# Altium PCB ESP32_RC_MOD_V1.PcbDoc
Units mm, origin at the board's own origin, x right, y up, seen from the top; angles counter-clockwise.
Board outline 86 x 59 mm, 2 copper layers (Top Layer, Bottom Layer), stack 1.534 mm thick; 37 components, 33 nets, 136 pads, 0 vias.
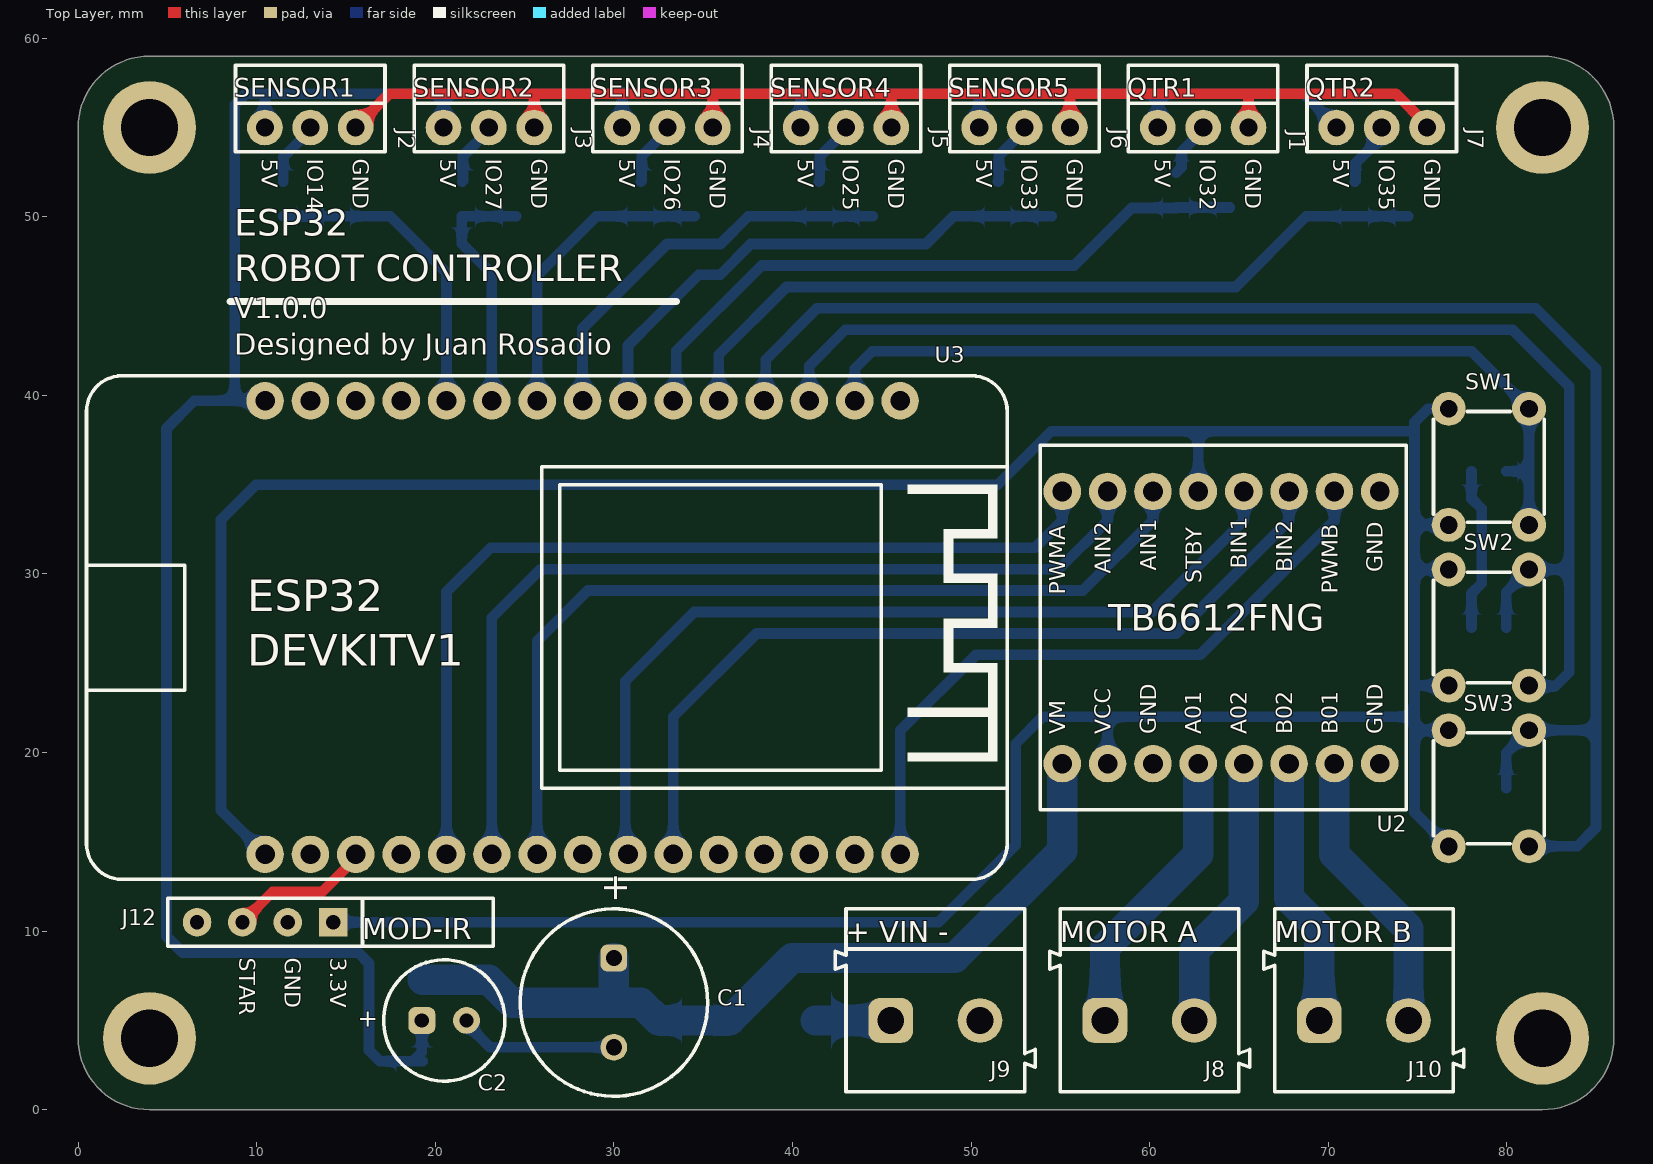
[diagram p0: Top Layer view]
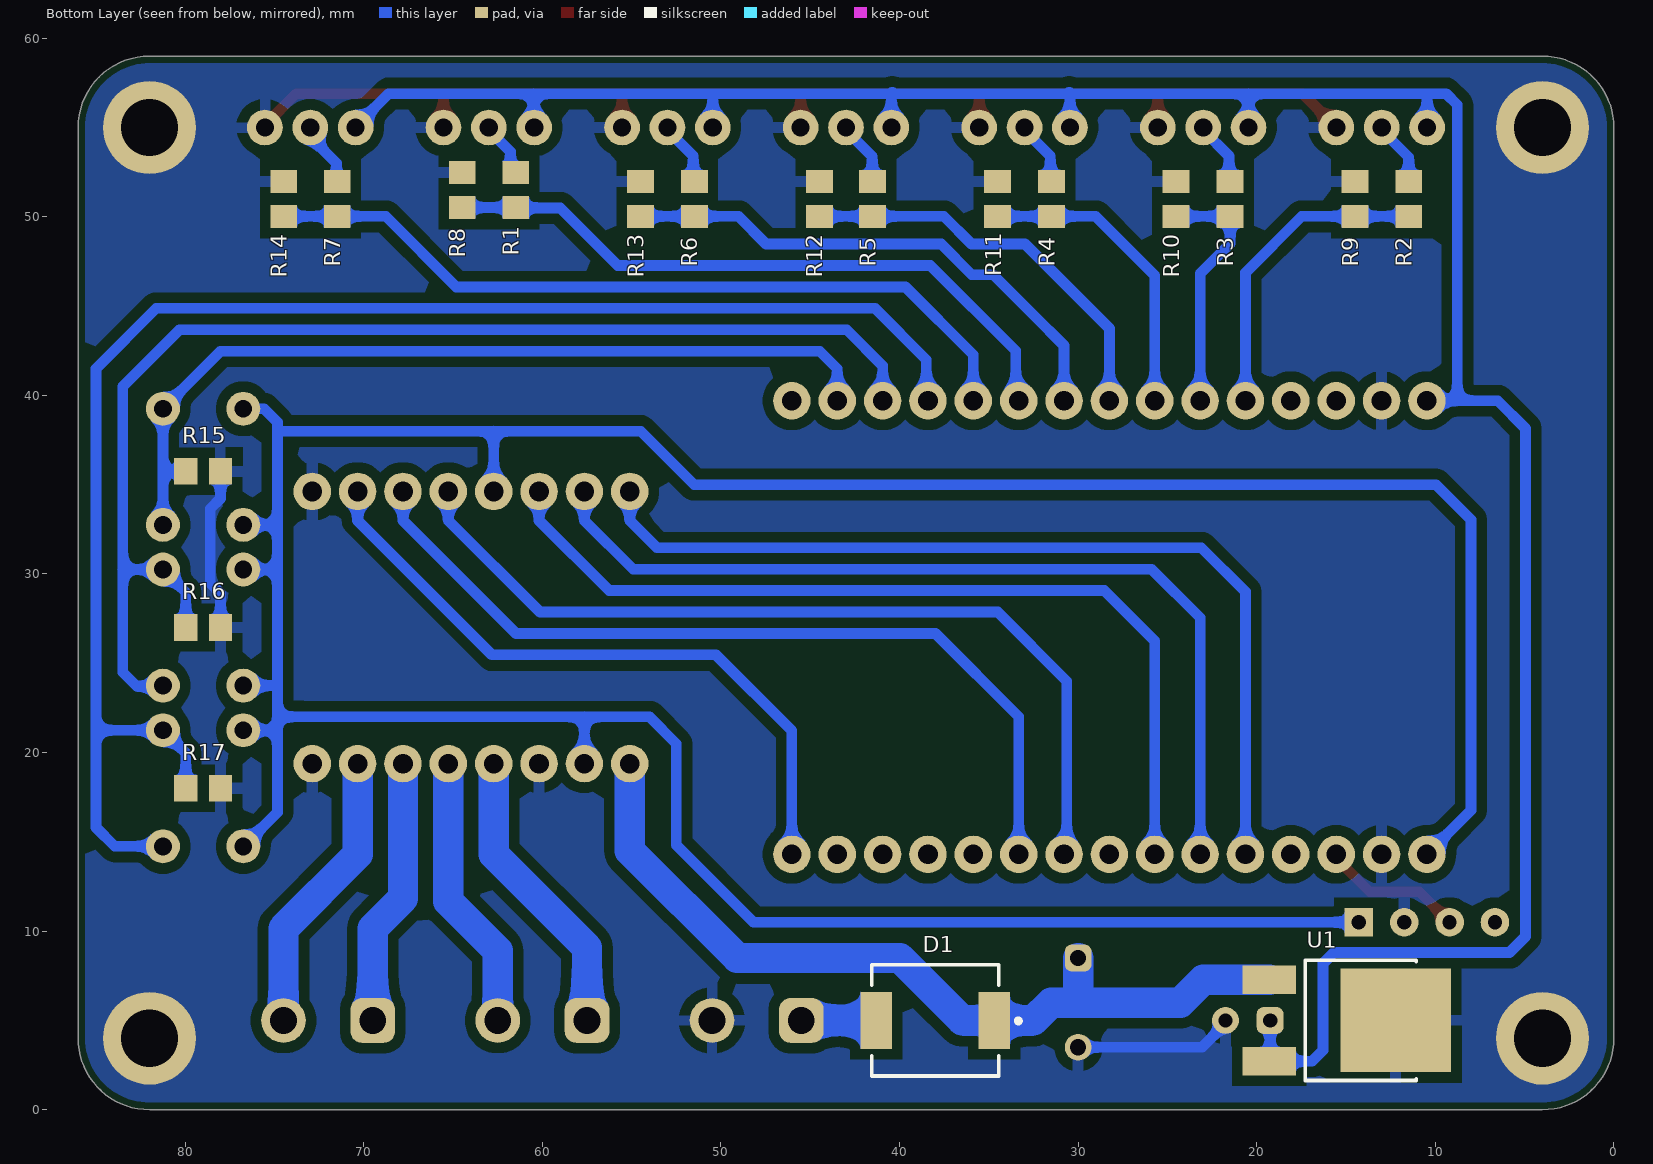
[diagram p1: Bottom Layer view, seen from below]

## Layer stack, top to bottom
Top Solder: solder mask 0.0127, Solder Resist, Dk 3.3
Top Layer: signal copper 0.0178
Dielectric1: core 1.4986, FR-4, Dk 4.3
Bottom Layer: signal copper 0.0178
Bottom Solder: solder mask 0.0127, Solder Resist, Dk 3.3

## Board outline
0,4 ccw(c4,4) 4,0 82,0 ccw(c82,4) 86,4 86,55 ccw(c82,55) 82,59 4,59 ccw(c4,55) 0,55

## Design rules (kind name [scope] priority, off if disabled: settings)
BoardOutlineClearance [All] p1: gap=0.4 ignorepadtopadclearanceinfootprint=FALSE
Clearance [All] p1: gap=0.6 ignorepadtopadclearanceinfootprint=TRUE
HoleSize [All] p1: absolutevalues=TRUE maxlimit=6.3 minlimit=0.2 maxpercent=80.000 minpercent=20.000
MinimumAnnularRing [All] p1: minimumring=0.13
MinimumSolderMaskSliver [All] p1: minsoldermaskwidth=0.1
PlaneClearance [All] p1: clearance=0.254
PolygonConnect [All] p1: connectstyle=Relief reliefconductorwidth=0.6 reliefentries=4 polygonreliefangle="90 Angle" airgapwidth=0.6
RoutingVias [All] p1: holewidth=0.3 width=0.6 viastyle="Through Hole" minholewidth=0.3 minwidth=0.6 maxholewidth=6.3 maxwidth=12.7
SilkToSilkClearance [All] p1: silktosilkclearance=0.152
SilkToSolderMaskClearance [IsPad] p1: minsilkscreentomaskgap=0.152 clearancetoexposedcopper=TRUE
SolderMaskExpansion [All] p1: expansion=0.05 istentingtop=FALSE
Width [All] p1: maxlimit=2 minlimit=0.6 preferedwidth=0.6 minimp=50.000000 maximp=50.000000 favimp=50.000000
25 further rules are at their usual default settings.

## Components (designator, comment, footprint, x,y, rotation, side; value= is the part's Value field where it differs from the comment)
C1 "220uF, 50V" WCAP-ATG8_D10H12.5 30,6 r90 top
C2 "47uF, 50V" WCAP-ATG8_D6.3H11 20.5,5 r180 top
D1 "Diode Schottky" DO-214AB 38,5 r0 bottom
J1 "Header 3P" 61300311821 63,55 r0 top
J2 "Header 3P" 61300311821 13,55 r0 top
J3 "Header 3P" 61300311821 23,55 r0 top
J4 "Header 3P" 61300311821 33,55 r0 top
J5 "Header 3P" 61300311821 43,55 r0 top
J6 "Header 3P" 61300311821 53,55 r0 top
J7 "Header 3P" 61300311821 73,55 r0 top
J8 "Bornera de 2 pines" 691111710002 60,5 r0 top
J9 "Bornera de 2 pines" 691111710002 48,5 r0 top
J10 "Bornera de 2 pines" 691111710002 72,5 r0 top
J12 "Header 4p" 61300411821 10.47,10.5 r180 top
R1 "Resistor 0805" RES0805A 61.49,51.5 r90 bottom
R2 "Resistor 0805" RES0805A 11.49,51 r90 bottom
R3 "Resistor 0805" RES0805A 21.49,51 r90 bottom
R4 "Resistor 0805" RES0805A 31.49,51 r90 bottom
R5 "Resistor 0805" RES0805A 41.515,51 r90 bottom
R6 "Resistor 0805" RES0805A 51.49,51 r90 bottom
R7 "Resistor 0805" RES0805A 71.49,51 r90 bottom
R8 "Resistor 0805" RES0805A 64.49,51.5 r270 bottom
R9 "Resistor 0805" RES0805A 14.5,51 r270 bottom
R10 "Resistor 0805" RES0805A 24.515,51 r270 bottom
R11 "Resistor 0805" RES0805A 34.515,51 r270 bottom
R12 "Resistor 0805" RES0805A 44.49,51 r270 bottom
R13 "Resistor 0805" RES0805A 54.515,51 r270 bottom
R14 "Resistor 0805" RES0805A 74.49,51 r270 bottom
R15 "Resistor 0805" RES0805A 79,35.75 r0 bottom
R16 "Resistor 0805" RES0805A 79,27 r0 bottom
R17 "Resistor 0805" RES0805A 79,18 r0 bottom
SW1 "XUNPU TS-1002S-07026C" 4301x60707x6 79,36 r90 top
SW2 "XUNPU TS-1002S-07026C" 4301x60707x6 79,27 r90 top
SW3 "XUNPU TS-1002S-07026C" 4301x60707x6 79,18 r90 top
U1 "7805 SMD TO-252" FP-369C-MFG 15,5 r270 bottom
U2 "TB6612FNG - Module" TB6612FNG-HDR-3D 64,27 r90 top
U3 "ESP32 DevkitV1" "ESP32 DEVKITV1 - HDR - 3D" 26,27 r0 top

## Footprints (in the part's own frame and the unit in brackets; to place one, negate y for a bottom-side part, rotate by r counter-clockwise, add the part's x,y. Pads: shape width x height; smd on the part's side, far side on the other; paste and mask are expansions set on the pad)
4301x60707x6 [mm] "6x6mm Tact Switch, THT version"
  round 1.9 hole 1: A1(-3.25,2.25) A2(3.25,2.25) B1(-3.25,-2.25) B2(3.25,-2.25)
  silkscreen extent -3.1,-3.1 3.1,3.1, body extent -3.95,-3.1 3.95,3.1, height 7.05
61300311821 [mm] "Socket Header, Pitch 2.54 mm, THT, Vertical, single row, 3p"
  round 2 hole 1.02: 1(-2.54,0) 2(0,0) 3(2.54,0)
  silkscreen extent -4.19,-1.35 4.19,1.35, body extent -4.06,-1.25 4.06,1.25, height 8.55
61300411821 [mm] "Socket Header, Pitch 2.54 mm, THT, Vertical, single row, 4p"
  rect 1.6x1.6 hole 0.8: 1(-3.81,0)
  round 1.6 hole 0.8: 2(-1.27,0) 3(1.27,0) 4(3.81,0)
  silkscreen extent -5.46,-1.35 5.46,1.35, body extent -5.33,-1.25 5.33,1.25, height 8.55
691111710002 [mm] "5,00mm - modular - green - Horizontal entry with pressure clamp - 10,0mm height - 02p"
  rrect50% 2.5x2.5 hole 1.5: 1(-2.5,0)
  round 2.5 hole 1.5: 2(2.5,0)
  silkscreen extent -5.6,-4 5.6,4, body extent -5.6,-4 5.6,4, height 11.05
DO-214AB [mil]
  rect 70x125.98 smd paste+0 mask+0: 1(130,0) 2(-130,0)
  silkscreen extent -188,-122 140,122, body extent -156,-116 156,116, height 103
"ESP32 DEVKITV1 - HDR - 3D" [mm]
  round 2.1 hole 1.1: 1(-15.53,-12.7) 2(-12.99,-12.7) 3(-10.45,-12.7) 4(-7.91,-12.7) 5(-5.37,-12.7) 6(-2.83,-12.7) 7(-0.29,-12.7) 8(2.25,-12.7) 9(4.79,-12.7) 10(7.33,-12.7) 11(9.87,-12.7) 12(12.41,-12.7) 13(14.95,-12.7) 14(17.49,-12.7) 15(20.03,-12.7) 16(20.03,12.7) 17(17.49,12.7) 18(14.95,12.7) 19(12.41,12.7) 20(9.87,12.7) 21(7.33,12.7) 22(4.79,12.7) 23(2.25,12.7) 24(-0.29,12.7) 25(-2.83,12.7) 26(-5.37,12.7) 27(-7.91,12.7) 28(-10.45,12.7) 29(-12.99,12.7) 30(-15.53,12.7)
  silkscreen extent -25.53,-14.1 26.03,14.1, body extent -25.47,-14.3 25.47,14.2, height 15.35
FP-369C-MFG [mm]
  rect 1.6x3 smd paste+0 mask+0: 1(-2.285,-4.3) 3(2.285,-4.3)
  rect 5.8x6.2 smd paste+0 mask+0: 4(0,2.79)
  silkscreen extent -3.36,-2.28 3.36,3.94, body extent -3.27,-4.95 3.27,4.95, height 2.51
RES0805A [mm] "Chip Resistor, 2-Leads, Body 2.00x1.27mm, IPC Low Density"
  rect 1.3x1.5 smd: 1(-0.975,0) 2(0.975,0)
  body extent -1.15,-0.67 1.15,0.67, height 0.76
TB6612FNG-HDR-3D [mm]
  round 2.1 hole 1.1: 1(-7.62,8.89) 2(-7.62,6.35) 3(-7.62,3.81) 4(-7.62,1.27) 5(-7.62,-1.27) 6(-7.62,-3.81) 7(-7.62,-6.35) 8(-7.62,-8.89) 9(7.62,8.89) 10(7.62,6.35) 11(7.62,3.81) 12(7.62,1.27) 13(7.62,-1.27) 14(7.62,-3.81) 15(7.62,-6.35) 16(7.62,-8.89)
  silkscreen extent -10.2,-10.38 10.2,10.13, body extent -10.2,-10.41 10.2,10.41, height 13.96
WCAP-ATG8_D6.3H11 [mm] "Aluminum Electrolytic Capacitors, 6.3x11mm"
  rrect50% 1.5x1.5 hole 0.8: 1(1.25,0)
  round 1.5 hole 0.8: 2(-1.25,0)
  silkscreen extent -3.4,-3.4 3.4,3.4, body extent -3.14,-3.15 3.15,3.15, height 11.31
WCAP-ATG8_D10H12.5 [mm] "Aluminum Electrolytic Capacitors, 10x12.5mm"
  rrect50% 1.5x1.5 hole 0.9: 1(2.5,0)
  round 1.5 hole 0.9: 2(-2.5,0)
  silkscreen extent -5.25,-5.25 5.25,5.25, body extent -4.99,-5 5,5, height 12.81

## Part data
C1: library part 860010675018, "WCAP-ATG8 Aluminum Electrolytic Capacitor, Radial, THT, D10xH12.5, 220uF, 50V", Capacitance=220uF, Capacitance Tolerance=+/-20%, Leakage Current=110uA, Manufacturer="Wurth Elektronik", Operating Temperature="-40 to +85degC", Rated Voltage=50VDC, Ripple Current=468mA, ComponentLink1Description=Manufacturer, ComponentLink1URL=http://www.we-online.de, ComponentLink2Description=Datasheet, ComponentLink2URL=https://www.we-online.com/catalog/datasheet/860010675018.pdf, Diameter=10mm, Dissipation Factor=10%, Endurance=2000h, Height=12.5mm, Manufacturer Part Number=860010675018, Mounting Technology=THT, Packaging="Ammo Pack", Published Date="October 2020", Technical Reference=ATBF125221M050DSPA9B000
C2: library part 860010673012, "WCAP-ATG8 Aluminum Electrolytic Capacitor, Radial, THT, D6.3xH11, 47uF, 50V", Capacitance=47uF, Capacitance Tolerance=+/-20%, Leakage Current=23.5uA, Manufacturer="Wurth Elektronik", Operating Temperature="-40 to +85degC", Rated Voltage=50VDC, Ripple Current=165mA, ComponentLink1Description=Manufacturer, ComponentLink1URL=http://www.we-online.de, ComponentLink2Description=Datasheet, ComponentLink2URL=https://www.we-online.com/catalog/datasheet/860010673012.pdf, Diameter=6.3mm, Dissipation Factor=10%, Endurance=2000h, Height=11mm, Manufacturer Part Number=860010673012, Mounting Technology=THT, Packaging="Ammo Pack", Published Date="October 2020", Technical Reference=ATBD110470M050DSPA4B000
D1: "Diodo Schottky SS36 3A 60 V", Forward Current=4A, Voltage Rating (DC)=40V, Category="Rectifier Diodes"
J1 J2 J3 J4 J5 J6 J7: library part 61300311821, "WR-PHD Socket Header, THT, Vertical, pitch 2.54mm, 1 Row, 3P", Contact Resistance=20mOhm, Manufacturer="Wurth Elektronik", Operating Temperature Max=125°C, Operating Temperature Min=-40°C, Rated Current=3A, Withstanding Voltage=500V, Working Voltage=250V, Category="Board-to-Board Connectors", ComponentLink1Description="Website Link", ComponentLink1URL=https://www.we-online.com/redexpert/article/61300311821?ad, ComponentLink2Description="Datasheet Link", ComponentLink2URL=https://www.we-online.com/redexpert/spec/61300311821?ad, Gender="Socket Header", Manufacturer Part Number=61300311821, Match Code=WR-PHD, Mount="Through Hole", Number of Pins=3, Number of Rows=1, Orientation=Vertical, Packaging=Tray, Pitch=2.54mm
J8 J9 J10: library part 691111710002, "WR-TBL Serie 111 Horizontal Entry Modular, Pressure Clamp, THT, pitch 5mm, 2p", Manufacturer="Wurth Elektronik", Operating Temperature="-40 to +105degC", Rated Current [UL]=15A, Working Voltage [UL]=250VAC, Application="Pressure Clamp", ComponentLink1Description=Manufacturer, ComponentLink1URL=http://www.we-online.de, ComponentLink2Description=Datasheet, ComponentLink2URL=https://katalog.we-online.de/em/datasheet/691111710002.pdf, Manufacturer Part Number=691111710002, Modularity=Yes, Mounting Technology=THT, Packaging=Box, PCB/Cable/Panel=PCB, Pin Number=2, Pitch=5mm, Published Date="Feburary 2021", Type=Horizontal
J12: library part 61300411821, "WR-PHD Socket Header, THT, pitch 2.54mm, Single Row, Vertical, 4p", Contact Resistance=20mOhm, Manufacturer="Wurth Elektronik", Operating Temperature="-40 to +125degC", Rated Current=3A, Withstanding Voltage=500VAC, Working Voltage=250VAC, ComponentLink1Description=Manufacturer, ComponentLink1URL=http://www.we-online.de, ComponentLink2Description=Datasheet, ComponentLink2URL=https://www.we-online.com/catalog/datasheet/61300411821.pdf, Gender="Socket Header", Manufacturer Part Number=61300411821, Mounting Technology=THT, Orientation=Vertical, Packaging=Tray, Pin Number=4, Pitch=2.54mm, Published Date="May 2020", Row Number=Single
R1 R2 R3 R4 R5 R6 R7 R15 R16 R17: "SMD 0805 10Kohms", Case Code (Metric)=2012, Case/Package=0805, Power Rating=125mW, Resistance=10K, Tolerance=1%, Category="Chip SMD Resistors", Mount="Surface Mount"
R8 R9 R10 R11 R12 R13 R14: "SMD 0805 20Kohms", Case Code (Metric)=2012, Case/Package=0805, Power Rating=125mW, Resistance=20K, Tolerance=1%, Category="Chip SMD Resistors", Mount="Surface Mount"
SW1 SW2 SW3: library part 430156070726, "6mm 7mm Round Button 50mA Brick nogging 6mm SPST 12V SMD,6x6mm Tactile Switches ROHS", Manufacturer=XUNPU, Manufacturer Part Number=TS-1002S-07026C, Operating Temperature Max=85°C, Operating Temperature Min=-40°C, Rated Current=50mA, Rated Voltage=12VDC, Supplier Part Number=C455114, Category="Tact Switches", Circuit=SPST-NO, ComponentLink1Description="Website Link", ComponentLink1URL=https://www.we-online.com/redexpert/article/430156070726?ad, ComponentLink2Description="Datasheet Link", ComponentLink2URL=https://www.we-online.com/redexpert/spec/430156070726?ad, Contact Material="Stainless Steel", Contact Plating=Silver, Height=7mm, Length=6mm, Match Code=WS-TATV, Mount="Through Hole", Operation Force=260g, Packaging=Bulk, Supplier=LCSC, Terminal Material="Copper Alloy", Terminal Plating=Silver, Washable=No, Width=6mm
U1: library part CMP-07128-000005-1, "IC REG LINEAR 5V 1A DPAK", Dropout Voltage=2V, Manufacturer="ON Semiconductor", Manufacturer Part Number=MC7805CDTG, Max Junction Temp=+125°C, Max Supply Voltage=35V, Min Supply Voltage=7V, Nominal Supply Current=3.2mA, Output Current=1A, Output Voltage=5V, Package=369C, Temperature="0°C to +125°C", Temperature Range Low=0°C, Automotive=No, Category=IC, ComponentLink2Description=Datasheet, ComponentLink2URL=https://www.onsemi.cn/PowerSolutions/document/MC7800-D.PDF, Device Class L1="Integrated Circuits (ICs)", Device Class L2="Power Management ICs", Device Class L3="Voltage Regulators - Linear", Digikey Description="IC REG LINEAR 5V 1A DPAK", Footprint Url=https://www.onsemi.com/pub/Collateral/369C.PDF, Height=2.51mm, Lead Free=Yes, Mouser Description="Linear Voltage Regulator, Positive, 5.0 V, 1.0 A, V out : 5.0 V; T J = 0Â°C to +125Â°C", Number of Outputs=1, Octopart=https://octopart.com/mc7805cdtg-on+semiconductor-1266408, Output Type=Fixed, RoHS=TRUE, Standoff Height=0mm, Temperature Range High=+125°C
U2: "Driver Puente H TB6612FNG 1.2A"
U3: "ESP32 DEVKIT V1 Wireless WiFi Bluetooth Placa de desarrollo Micro USB Dual Core"

## Free pads (board coordinates)
  round 5.2 hole 3.2: 18(4,55) 19(4,4) 20(82,55) 21(82,4)

## Nets (pads, with @x,y where several pads share a name; then routed paths per layer and width w, separated by ;. In a path a pad name is that pad's centre, name@x,y a point inside that pad or via, vN(x,y) a via of type N, cw(c..) or ccw(c..) an arc to the next point about the centre after c; other vN are vias at no path point)
+3.3V: J12.1 SW1.A1 SW1.A2 SW2.A1 SW2.A2 SW3.A1 SW3.A2 U2.2 U2.12 U3.1 | length 197.9
  Bottom Layer w0.6: U3.1@10.83,13.94 8,16.77 8,33.04 9.96,35 51.5,35 54.5,38 62.73,38 ; J12.1 48.174,10.5 52.5,14.826 52.5,20.5 54,22 57.65,22 ; U2.2 57.65,22 ; U2.12 62.73,38 ; 74.489,38 62.73,38 ; SW3.A1 74.84,16.66 74.84,21.25 ; SW3.A2 74.84,21.25 ; SW2.A1 74.881,23.75 74.84,23.709 ; SW2.A2 74.84,30.25 ; SW1.A1 74.84,32.75 ; SW1.A2 75.59,39.25 74.84,38.5 74.84,37.649 74.84,32.75 ; 57.65,22 74.84,22 ; 74.84,21.25 74.84,22 ; 74.84,22 74.84,23.709 ; 74.84,23.709 74.84,30.25 ; 74.84,30.25 74.84,32.75
+5V: C2.1 J1.1 J2.1 J3.1 J4.1 J5.1 J6.1 J7.1 U1.3 U3.30 | length 147.8
  Bottom Layer w0.6: J2.1 10.46,56.74 ; U3.30 8.768,39.7 ; C2.1 19.25,3.215 U1.3@18.75,2.715 ; U1.3 U1.3@18.75,2.715 ; J3.1@20.473,55.013 20.473,56.9 ; J4.1 30.46,56.862 ; J5.1 40.46,56.844 ; J6.1 50.46,56.895 50.465,56.9 ; J1.1 60.492,55.032 60.492,56.9 ; J7.1 70.46,55.04 68.6,56.9 60.492,56.9 ; 8.768,39.7 8.768,56.268 9.4,56.9 20.473,56.9 ; 8.768,39.7 6.5,39.7 4.951,38.151 4.951,9.698 5.849,8.8 15.683,8.8 16.291,8.191 16.291,3.324 16.9,2.715 U1.3@18.75,2.715 ; 20.473,56.9 30.498,56.9 40.404,56.9 50.465,56.9 ; 50.465,56.9 60.492,56.9
  Bottom Layer w0.762: J3.1 J3.1@20.473,55.013 ; 30.46,56.862 30.498,56.9 ; 40.404,56.9 40.46,56.844
+VBAT: C1.1 D1.2 U1.1 U2.1 | length 48.1
  Bottom Layer w1.7: U1.1 19.55,7.285 23,7.285 24.285,6 30,6 ; C1.1 30,6 ; U2.1 55.11,14.51 49.1,8.5 40,8.5 36.5,5 D1.2 32.5,5 31.5,6 30,6
BUTTON1: R15.2 SW1.B1 SW1.B2 U3.17 | length 49.1
  Bottom Layer w0.6: U3.17 43.49,41.49 44.475,42.475 78.025,42.475 SW1.B2 81.25,35.75 ; R15.2 81.25,35.75 ; SW1.B1 81.25,35.75
BUTTON2: R16.2 SW2.B1 SW2.B2 U3.18 | length 71.3
  Bottom Layer w0.6: U3.18 40.95,41.661 42.964,43.675 80.325,43.675 83.5,40.5 83.5,30.25 ; R16.2 79.975,28.975 SW2.B2 83.5,30.25 ; SW2.B1 81.291,23.709 82.709,23.709 83.5,24.5 83.5,30.25
BUTTON3: R17.2 SW3.B1 SW3.B2 U3.19 | length 88.8
  Bottom Layer w0.6: U3.19 38.5,39.79 38.5,42 41.375,44.875 81.625,44.875 85,41.5 85,21.25 ; R17.2 79.975,19.975 SW3.B2 85,21.25 ; SW3.B1 83.95,14.75 85,15.8 85,21.25
GND: C1.2 C2.2 J1.3 J2.3 J3.3 J4.3 J5.3 J6.3 J7.3 J9.2 J12.2 pad.18 pad.19 pad.20 pad.21 R8.1 R9.1 R10.1 R11.1 R12.1 R13.1 R14.1 R15.1 R16.1 R17.1 U1.4 U2.3 U2.8 U2.16 U3.2 U3.29 | length 89.5
  Top Layer w0.6: J2.3 17.44,56.9 25.71,56.9 ; J3.3 25.54,56.73 25.71,56.9 ; J4.3 35.54,56.892 35.532,56.9 ; J5.3 45.54,56.847 45.593,56.9 ; J6.3 55.54,56.884 55.556,56.9 ; J1.3 65.54,56.847 65.593,56.9 ; J7.3 75.54,55.147 73.787,56.9 65.593,56.9 ; 25.71,56.9 35.532,56.9 ; 35.532,56.9 45.593,56.9 ; 45.593,56.9 55.556,56.9 ; 55.556,56.9 65.593,56.9
  Bottom Layer w0.6: C2.2 21.75,4.811 23.061,3.5 C1.2 ; R16.1 78.025,28.909 78.6,29.484 78.6,33.649 78.025,34.224 R15.1
IR_STAR: J12.3 U3.3 | length 8.1
  Top Layer w0.6: J12.3 10.903,12.203 13.67,12.203 15.55,14.082 U3.3
MOTORA_IN1: U2.11 U3.7 | length 50.8
  Bottom Layer w0.6: U3.7 25.71,26.244 28.536,29.07 56.26,29.07 60.19,33 U2.11
MOTORA_IN2: U2.10 U3.6 | length 51.6
  Bottom Layer w0.6: U3.6 23.17,27.548 25.892,30.27 54.92,30.27 57.65,33 U2.10
MOTORB_IN1: U2.13 U3.9 | length 49.7
  Bottom Layer w0.6: U3.9 30.637,14.453 30.637,24 34.507,27.87 60.14,27.87 65.27,33 U2.13
MOTORB_IN2: U2.14 U3.10 | length 48.4
  Bottom Layer w0.6: U3.10 33.33,22.012 37.988,26.67 61.48,26.67 67.81,33 U2.14
NetD1_1: D1.1 J9.1 | length 4.2
  Bottom Layer w1.7: D1.1 J9.1
NetJ1_2: J1.2 R1.2 | length 3.2
  Bottom Layer w0.6: R1.2 61.792,52.777 61.792,53.645 63,54.853 J1.2
NetJ2_2: J2.2 R2.2 | length 3.7
  Bottom Layer w0.6: R2.2 11.49,53.343 13,54.853 J2.2
NetJ3_2: J3.2 R3.2 | length 3.6
  Bottom Layer w0.6: R3.2@21.515,51.975 21.555,52.015 21.555,53.408 23,54.853 J3.2
NetJ4_2: J4.2 R4.2 | length 3.6
  Bottom Layer w0.6: R4.2@31.515,51.975 31.555,52.015 31.555,53.408 33,54.853 J4.2
NetJ5_2: J5.2 R5.2 | length 3.7
  Bottom Layer w0.6: R5.2@41.49,51.975 41.53,52.015 41.53,53.383 43,54.853 J5.2
NetJ6_2: J6.2 R6.2 | length 3.6
  Bottom Layer w0.6: R6.2@51.515,51.975 51.555,52.015 51.555,53.408 53,54.853 J6.2
NetJ7_2: J7.2 R7.2 | length 3.2
  Bottom Layer w0.6: R7.2 71.53,52.015 71.53,53 73,54.47 J7.2@73,54.5
NetJ8_1: J8.1 U2.4 | length 16.5
  Bottom Layer w1.7: J8.1 57.5,9.07 62.73,14.3 U2.4
NetJ8_2: J8.2 U2.5 | length 15.5
  Bottom Layer w1.7: J8.2 62.5,8.9 65.27,11.67 U2.5
NetJ10_1: J10.1 U2.6 | length 15.1
  Bottom Layer w1.7: U2.6 67.81,11.84 69.5,10.15 J10.1
NetJ10_2: J10.2 U2.7 | length 16.1
  Bottom Layer w1.7: U2.7 70.35,14.3 74.5,10.15 J10.2
PWMA: U2.9 U3.5 | length 52.5
  Bottom Layer w0.6: U3.5 20.63,29 23.1,31.47 53.58,31.47 55.11,33 U2.9
PWMB: U2.15 U3.15 | length 37.7
  Bottom Layer w0.6: U3.15 46.03,21.217 50.283,25.47 62.82,25.47 70.35,33 U2.15
QTR1: R1.1 R8.2 U3.21 | length 37.2
  Bottom Layer w0.6: U3.21 33.5,39.87 33.5,42.5 38.275,47.275 55.775,47.275 59,50.5 R1.1@61.5,50.5 ; R1.1@61.5,50.525 62.99,50.525 R8.2
QTR2: R7.1 R14.2 U3.20 | length 44.4
  Bottom Layer w0.6: U3.20 35.87,42.279 39.666,46.075 64.825,46.075 68.775,50.025 R7.1 R14.2
SENSOR1: R2.1 R9.2 U3.26 | length 17.6
  Bottom Layer w0.6: R2.1 R9.2 17.475,50.025 20.63,46.87 U3.26
SENSOR2: R3.1 R10.2 U3.25 | length 14
  Bottom Layer w0.6: R3.1 21.49,48.51 23.17,46.83 U3.25 ; R3.1@21.515,50.025 R10.2
SENSOR3: R4.1 R11.2 U3.24 | length 17.2
  Bottom Layer w0.6: U3.24 25.71,46.71 29.025,50.025 R4.1 R11.2
SENSOR4: R5.1 R12.2 U3.23 | length 22.9
  Bottom Layer w0.6: U3.23 28.25,43.75 32.975,48.475 35.975,48.475 37.525,50.025 R5.1 R12.2
SENSOR5: R6.1 R13.2 U3.22 | length 29.8
  Bottom Layer w0.6: U3.22 30.79,42.79 32.511,44.511 34.754,46.754 35.952,46.754 37.672,48.475 47.475,48.475 49.025,50.025 R6.1 ; R6.1@51.515,50.025 R13.2
pads on no net: J12.4 U3.4 U3.8 U3.11 U3.12 U3.13 U3.14 U3.16 U3.27 U3.28

## Polygon pours and split planes (outlines as drawn)
GND on Bottom Layer "GND_L02_P002" (solid, remove dead copper, pour order 2): 0,65 86,65 86,0 0,0

## Silkscreen, mask and mechanical layers (free items; w line width, h text height)
Top Overlay:
  lines w0.2: 8.815,56.35 8.815,58.5 17.185,58.5 17.185,56.35 ; 15.925,9.15 23.25,9.15 23.25,11.85 15.925,11.85 ; 18.815,56.35 18.815,58.5 27.185,58.5 27.185,56.35 ; 28.815,56.35 28.815,58.5 37.185,58.5 37.185,56.35 ; 38.815,56.35 38.815,58.5 47.185,58.5 47.185,56.35 ; 43,9 43,11.25 53,11.25 53,9 ; 48.815,56.35 48.815,58.5 57.185,58.5 57.185,56.35 ; 55,9 55,11.25 65,11.25 65,9 ; 58.815,56.35 58.815,58.5 67.185,58.5 67.185,56.35 ; 67,9 67,11.25 77,11.25 77,9 ; 68.815,56.35 68.815,58.5 77.185,58.5 77.185,56.35
  lines w0.4: 8.5,45.25 33.5,45.25
  text "SENSOR1" at 8.755,56.35 h1.78
  text "SENSOR2" at 18.755,56.35 h1.78
  text "SENSOR3" at 28.755,56.35 h1.78
  text "SENSOR4" at 38.755,56.35 h1.78
  text "SENSOR5" at 48.755,56.35 h1.78
  text "QTR1" at 58.755,56.35 h1.78
  text "QTR2" at 68.755,56.35 h1.78
  text "5V" at 9.981,53.25 h1.52 r270
  text "IO14" at 12.512,53.25 h1.52 r270
  text "GND" at 15.062,53.25 h1.52 r270
  text "5V" at 19.981,53.25 h1.52 r270
  text "IO27" at 22.512,53.25 h1.52 r270
  text "GND" at 25.062,53.25 h1.52 r270
  text "5V" at 29.981,53.25 h1.52 r270
  text "IO26" at 32.512,53.25 h1.52 r270
  text "GND" at 35.062,53.25 h1.52 r270
  text "5V" at 39.981,53.25 h1.52 r270
  text "IO25" at 42.512,53.25 h1.52 r270
  text "GND" at 45.062,53.25 h1.52 r270
  text "5V" at 49.981,53.25 h1.52 r270
  text "IO33" at 52.512,53.25 h1.52 r270
  text "GND" at 55.062,53.25 h1.52 r270
  text "5V" at 59.981,53.25 h1.52 r270
  text "IO32" at 62.512,53.25 h1.52 r270
  text "GND" at 65.062,53.25 h1.52 r270
  text "5V" at 69.981,53.25 h1.52 r270
  text "IO35" at 72.512,53.25 h1.52 r270
  text "GND" at 75.062,53.25 h1.52 r270
  text "ESP32 / ROBOT CONTROLLER" at 8.75,45.9 h2.54
  text "V1.0.0 / Designed by Juan Rosadio" at 8.75,41.887 h2.03
  text "MOD-IR" at 15.925,9.15 h2.03
  text "+ VIN -" at 43,9 h2.03
  text "MOTOR A" at 55,9 h2.03
  text "MOTOR B" at 67,9 h2.03
  text "STAR" at 8.712,8.5 h1.52 r270
  text "GND" at 11.252,8.5 h1.52 r270
  text "3.3V" at 13.799,8.5 h1.52 r270
Board:
  the board outline again, w0.2
Dimensions:
  circle w0.254: c82,55 r1.6

## Dimensions
80.4,55 to -196.586,-97.946 on Dimensions
4,55 to 82,55 on Dimensions
82,55 to 82,4 on Dimensions
4,59 to 4,0 on Dimensions
0,4 to 86,4 on Dimensions

## Text inside footprints (layer, text, board x,y; h text height)
C1: Top Overlay "+" at 30.75,11.55 h1.5 r90
C2: Top Overlay "+" at 16.8,5.5 h1 r180
U2: Top Overlay "TB6612FNG" at 57.688,26.314 h2.54; Top Overlay "GND" at 73.378,30.085 h1.52 r90; Top Overlay "PWMB" at 70.838,28.905 h1.52 r90; Top Overlay "BIN2" at 68.3,30.11 h1.52 r90; Top Overlay "BIN1" at 65.76,30.289 h1.52 r90; Top Overlay "STBY" at 63.218,29.481 h1.52 r90; Top Overlay "AIN1" at 60.68,30.188 h1.52 r90; Top Overlay "AIN2" at 58.14,30.009 h1.52 r90; Top Overlay "PWMA" at 55.598,28.832 h1.52 r90; Top Overlay "GND" at 73.378,21.031 h1.52 r90; Top Overlay "B01" at 70.831,21.031 h1.52 r90; Top Overlay "B02" at 68.291,21.031 h1.52 r90; Top Overlay "A02" at 65.751,21.031 h1.52 r90; Top Overlay "A01" at 63.211,21.031 h1.52 r90; Top Overlay "GND" at 60.678,21.031 h1.52 r90; Top Overlay "VCC" at 58.138,21.032 h1.52 r90; Top Overlay "VM" at 55.598,21.032 h1.52 r90
U3: Top Overlay "ESP32 / DEVKITV1" at 9.47,24.266 h3.05